# KiCad board 8088 ram card - revB.kicad_pcb
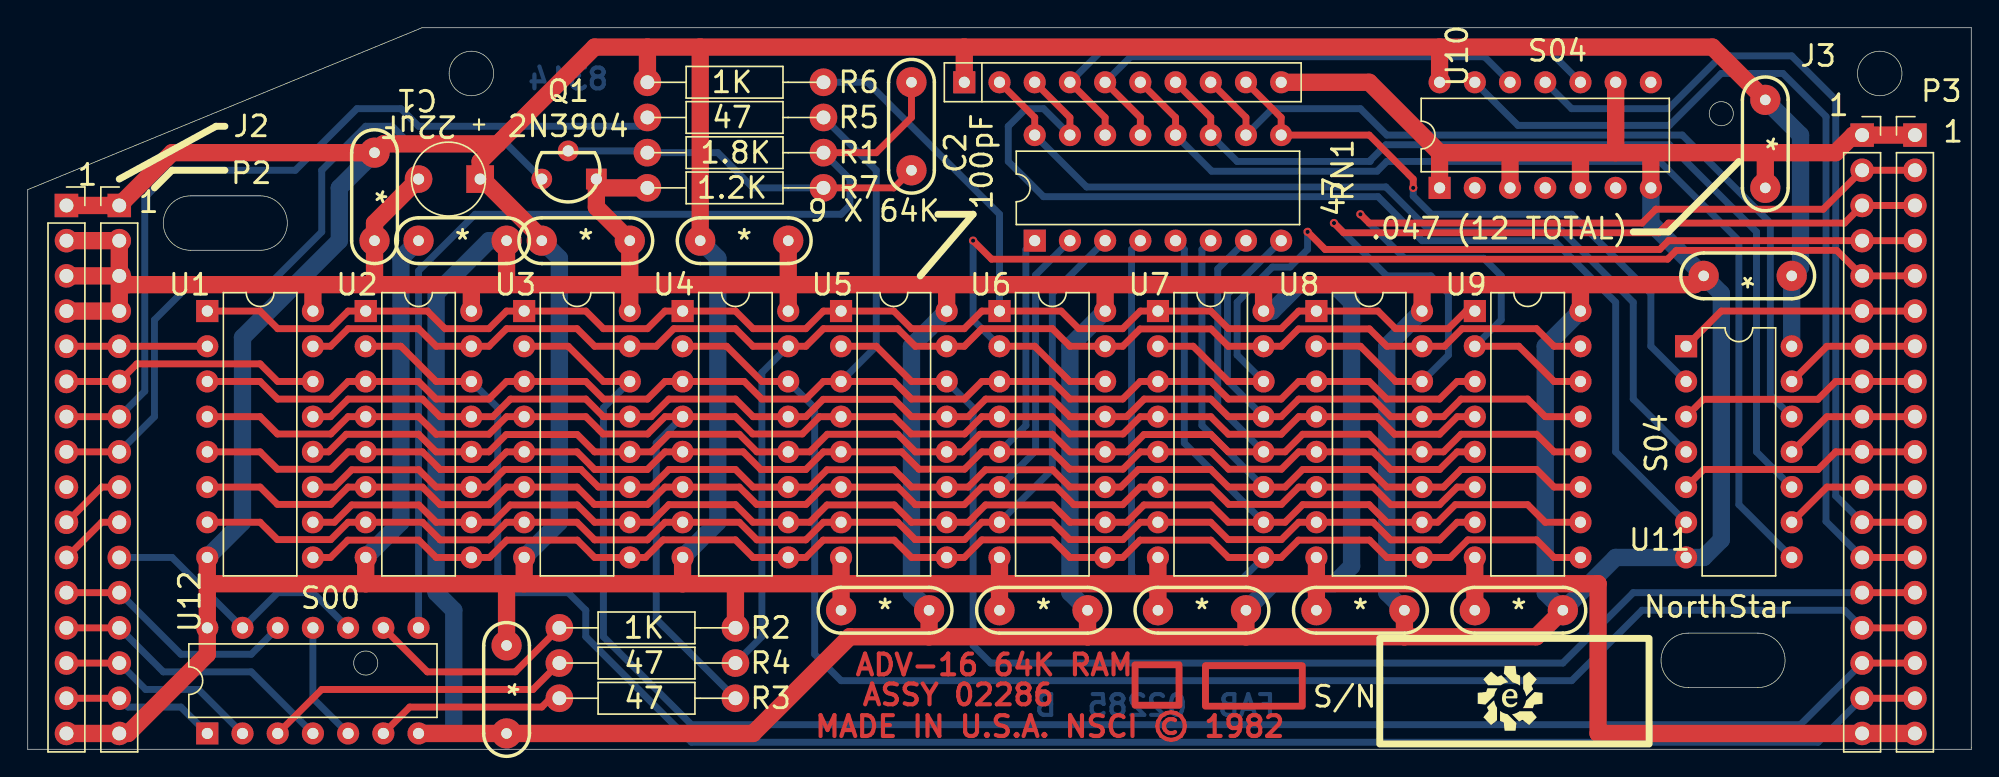
[diagram p0: board, top side]
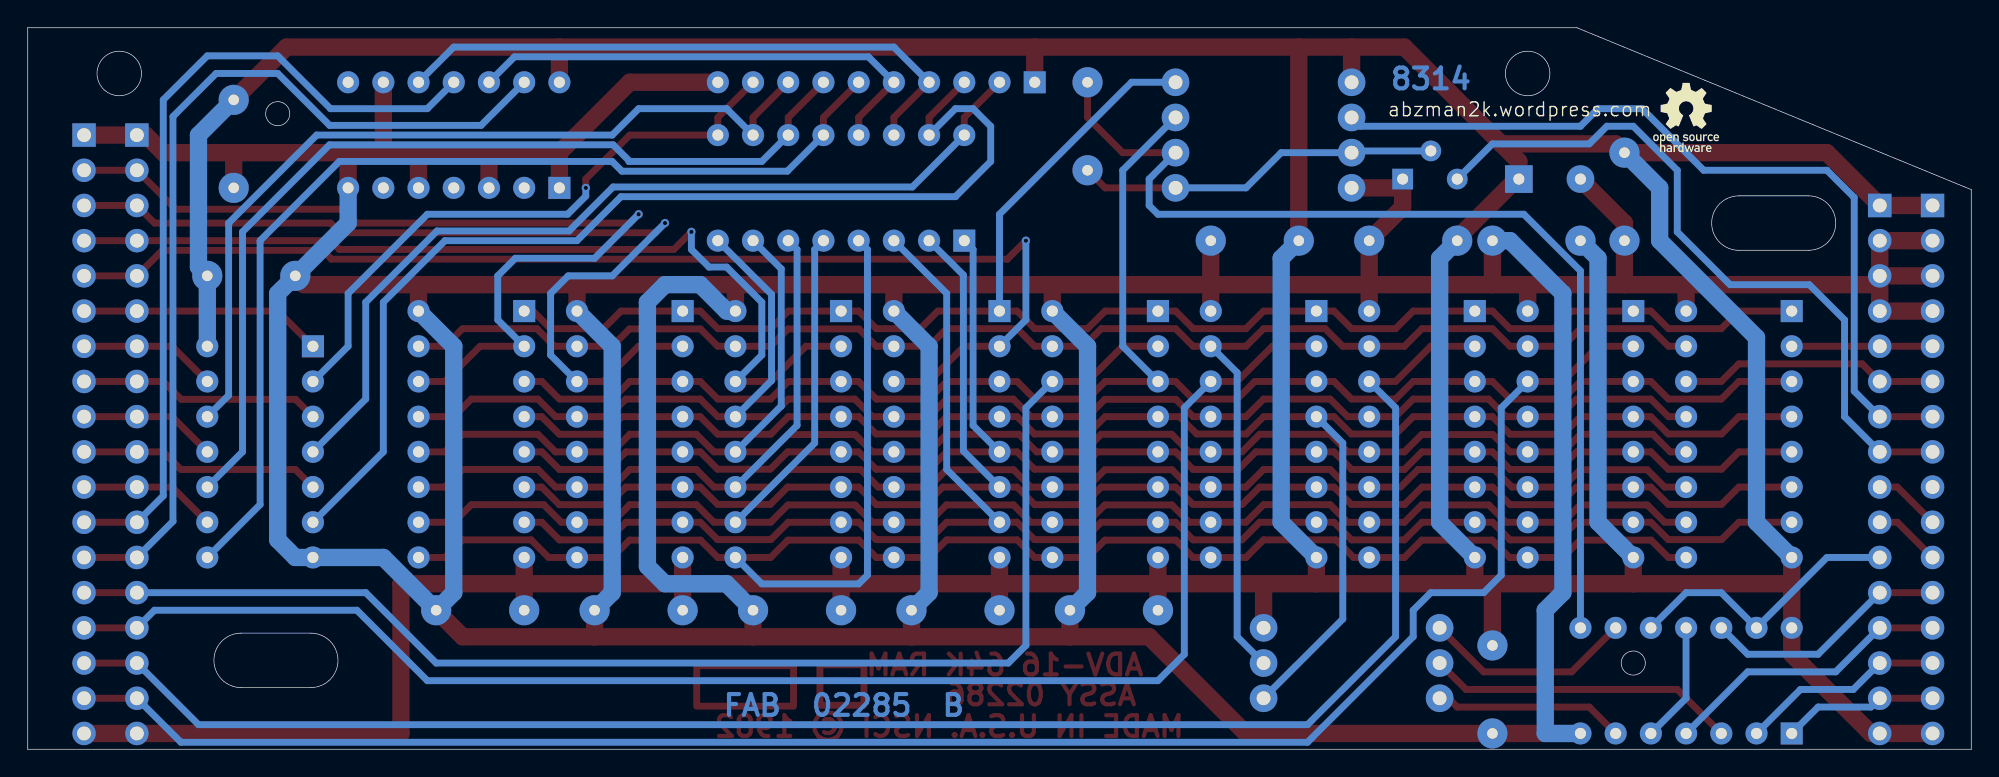
[diagram p1: board, bottom side, seen from below]

Outline 140.21 x 52.07 mm; copper layers: Top, Bottom. Coordinates in mm from the lower left corner of the outline.
Outline path: circle c24.38,6.22 r0.87 ; circle c32,48.77 r1.61 ; circle c122.17,45.87 r0.87 ; circle c133.6,48.77 r1.6 ; 0,40.39 0,0 140.21,0 140.21,52.07 28.45,52.07 0,40.39 ; 11.74,36.01 arc(9.78,37.97) 11.74,39.94 16.76,39.94 arc(18.73,37.97) 16.76,36.01 11.74,36.01 ; 119.79,4.45 arc(117.83,6.42) 119.79,8.38 124.81,8.38 arc(126.78,6.42) 124.81,4.45 119.79,4.45
Stack: Top 0.035mm / dielectric 1.51mm FR4 er 4.5 / Bottom 0.035mm

## Placement (name value [footprint] x y rotation side)
C1  22uF  [noethstar tantalum]  32.64 41.15 180 top
C2  100pF  [northstar decoupling cap]  63.75 41.78 90 top
C3  *  [northstar decoupling cap]  25.02 43.05 270 top
C4  *  [northstar decoupling cap]  28.19 36.7 0 top
C5  *  [northstar decoupling cap]  37.08 36.7 0 top
C6  *  [northstar decoupling cap]  48.51 36.7 0 top
C7  *  [northstar decoupling cap]  127.25 34.16 180 top
C8  *  [northstar decoupling cap]  125.35 46.86 270 top
C9  *  [northstar decoupling cap]  34.54 7.49 270 top
C10  *  [northstar decoupling cap]  58.67 10.03 0 top
C11  *  [northstar decoupling cap]  70.1 10.03 0 top
C12  *  [northstar decoupling cap]  81.53 10.03 0 top
C13  *  [northstar decoupling cap]  92.96 10.03 0 top
C14  *  [northstar decoupling cap]  104.39 10.03 0 top
G***  LOGO  [Evan Logo]  106.93 3.68 0 top
G***#2  LOGO  [OSHW gear]  20.57 45.59 180 bottom
J2  Conn_01x16_Socket  [PinSocket_1x16_P2.54mm_Vertical]  2.79 39.24 0 top
J3  Conn_01x16_Socket  [PinSocket_1x18_P2.54mm_Vertical]  132.33 44.32 0 top
P2  Conn_01x16_Pin  [PinHeader_1x16_P2.54mm_Vertical]  6.6 39.24 0 top
P3  Conn_01x16_Pin  [PinHeader_1x18_P2.54mm_Vertical]  136.14 44.32 0 top
Q1  2N3904  [TO-92_northstar_Wide]  41.53 41.78 180 top
R1  1.8K  [northstar resistor]  44.7 43.05 0 top
R2  1K  [northstar resistor]  38.35 8.76 0 top
R3  47  [northstar resistor]  38.35 3.68 0 top
R4  47  [northstar resistor]  38.35 6.22 0 top
R5  47  [northstar resistor]  44.7 45.59 0 top
R6  1K  [northstar resistor]  44.7 48.13 0 top
R7  1.2K  [northstar resistor]  44.7 40.51 0 top
RN1  47  [DIP-16_W7.62mm]  72.64 36.7 90 top
RN2  1K  [R_Array_SIP10]  67.56 48.13 0 top
U1  4164  [DIP-16_W7.62mm]  12.95 31.62 0 top
U2  4164  [DIP-16_W7.62mm]  24.38 31.62 0 top
U3  4164  [DIP-16_W7.62mm]  35.81 31.62 0 top
U4  4164  [DIP-16_W7.62mm]  47.24 31.62 0 top
U5  4164  [DIP-16_W7.62mm]  58.67 31.62 0 top
U6  4164  [DIP-16_W7.62mm]  70.1 31.62 0 top
U7  4164  [DIP-16_W7.62mm]  81.53 31.62 0 top
U8  4164  [DIP-16_W7.62mm]  92.96 31.62 0 top
U9  4164  [DIP-16_W7.62mm]  104.39 31.62 0 top
U10  74S04  [DIP-14_W7.62mm]  101.85 40.51 90 top
U11  74S04  [DIP-14_W7.62mm]  119.63 29.08 0 top
U12  74S00  [DIP-14_W7.62mm]  12.95 1.14 90 top

## Library data of the parts
C1 = -: Description: Polarized capacitor
C2-C14 = -: Description: Unpolarized capacitor
J2 P2 = -: Description: Generic connector, single row, 01x16, script generated
J3 P3 = -: Description: Generic connector, single row, 01x18, script generated
Q1 = -: Description: 0.2A Ic, 40V Vce, Small Signal NPN Transistor, TO-92
R1-R7 = -: Description: Resistor
RN1 = -: Description: 8 resistor network, parallel topology, split
RN2 = -: Description: 8 voltage divider network, dual terminator, SIP package
U10 U11 = -: Description: Hex Inverter
U12 = -: Description: quad 2-input NAND gate

## Footprints (pads in the part's own frame, mm; a bottom-side part is the same pattern mirrored in y, then rotated)
DIP-14_W7.62mm
  rect 1.6x1.6 hole 0.8: 1(0,0)
  oval 1.6x1.6 hole 0.8: 2(0,-2.54) 3(0,-5.08) 4(0,-7.62) 5(0,-10.16) 6(0,-12.7) 7(0,-15.24) 8(7.62,-15.24) 9(7.62,-12.7) 10(7.62,-10.16) 11(7.62,-7.62) 12(7.62,-5.08) 13(7.62,-2.54) 14(7.62,0)
DIP-16_W7.62mm
  rect 1.6x1.6 hole 0.8: 1(0,0)
  oval 1.6x1.6 hole 0.8: 2(0,-2.54) 3(0,-5.08) 4(0,-7.62) 5(0,-10.16) 6(0,-12.7) 7(0,-15.24) 8(0,-17.78) 9(7.62,-17.78) 10(7.62,-15.24) 11(7.62,-12.7) 12(7.62,-10.16) 13(7.62,-7.62) 14(7.62,-5.08) 15(7.62,-2.54) 16(7.62,0)
noethstar tantalum
  rect 2x2 hole 0.8: 1(0,0)
  round 2 hole 0.8: 2(4.445,0)
northstar decoupling cap
  round 2.18 hole 0.762: 1(0,0) 2(6.35,0)
northstar resistor
  round 2 hole 1: 1(0,0) 2(12.7,0)
PinHeader_1x16_P2.54mm_Vertical
  rect 1.7x1.7 hole 1: 1(0,0)
  oval 1.7x1.7 hole 1: 2(0,-2.54) 3(0,-5.08) 4(0,-7.62) 5(0,-10.16) 6(0,-12.7) 7(0,-15.24) 8(0,-17.78) 9(0,-20.32) 10(0,-22.86) 11(0,-25.4) 12(0,-27.94) 13(0,-30.48) 14(0,-33.02) 15(0,-35.56) 16(0,-38.1)
PinHeader_1x18_P2.54mm_Vertical
  rect 1.7x1.7 hole 1: 1(0,0)
  oval 1.7x1.7 hole 1: 2(0,-2.54) 3(0,-5.08) 4(0,-7.62) 5(0,-10.16) 6(0,-12.7) 7(0,-15.24) 8(0,-17.78) 9(0,-20.32) 10(0,-22.86) 11(0,-25.4) 12(0,-27.94) 13(0,-30.48) 14(0,-33.02) 15(0,-35.56) 16(0,-38.1) 17(0,-40.64) 18(0,-43.18)
PinSocket_1x16_P2.54mm_Vertical
  rect 1.7x1.7 hole 1: 1(0,0)
  oval 1.7x1.7 hole 1: 2(0,-2.54) 3(0,-5.08) 4(0,-7.62) 5(0,-10.16) 6(0,-12.7) 7(0,-15.24) 8(0,-17.78) 9(0,-20.32) 10(0,-22.86) 11(0,-25.4) 12(0,-27.94) 13(0,-30.48) 14(0,-33.02) 15(0,-35.56) 16(0,-38.1)
PinSocket_1x18_P2.54mm_Vertical
  rect 1.7x1.7 hole 1: 1(0,0)
  oval 1.7x1.7 hole 1: 2(0,-2.54) 3(0,-5.08) 4(0,-7.62) 5(0,-10.16) 6(0,-12.7) 7(0,-15.24) 8(0,-17.78) 9(0,-20.32) 10(0,-22.86) 11(0,-25.4) 12(0,-27.94) 13(0,-30.48) 14(0,-33.02) 15(0,-35.56) 16(0,-38.1) 17(0,-40.64) 18(0,-43.18)
R_Array_SIP10
  rect 1.6x1.6 hole 0.8: 1(0,0)
  oval 1.6x1.6 hole 0.8: 2(2.54,0) 3(5.08,0) 4(7.62,0) 5(10.16,0) 6(12.7,0) 7(15.24,0) 8(17.78,0) 9(20.32,0) 10(22.86,0)
TO-92_northstar_Wide
  rect 1.5x1.5 hole 0.8: 1(0.508,0.635)
  round 1.5 hole 0.8: 2(2.54,-1.397) 3(4.445,0.635)

## Nets
+5V: C1.1 C3.1 C4.1 C5.1 C6.1 C7.1 C8.1 C9.1 C10.1 C11.1 C12.1 C13.1 C14.1 J2.1 J2.16 J3.18 P2.1 P2.16 P3.18 R2.2 R6.1 RN2.1 U1.8 U2.8 U3.8 U4.8 U5.8 U6.8 U7.8 U8.8 U9.8 U10.14 U11.14 U12.14
GND: C1.2 C3.2 C4.2 C5.2 C6.2 C7.2 C8.2 C9.2 C10.2 C11.2 C12.2 C13.2 C14.2 J2.2 J2.3 J2.4 J3.1 P2.2 P2.3 P2.4 P3.1 Q1.1 R7.1 RN2.10 U1.16 U2.16 U3.16 U4.16 U5.16 U6.16 U7.16 U8.16 U9.16 U10.1 U10.3 U10.5 U10.7 U10.9 U11.7 U12.7
//BRD_PRES: J2.8 P2.8 Q1.3
//CAS: R4.2 U1.15 U2.15 U3.15 U4.15 U5.15 U6.15 U7.15 U8.15 U9.15
//CAS_1: J2.15 P2.15 U12.1
//CAS_2: J2.14 P2.14 U12.2
//RAS: R3.2 U1.4 U2.4 U3.4 U4.4 U5.4 U6.4 U7.4 U8.4 U9.4
//RAS_1: J2.13 P2.13 U12.4
//RAS_2: J2.12 P2.12 U12.12
//Select: P2.11 U12.10 U12.13
//WRT: R5.2 U1.3 U2.3 U3.3 U4.3 U5.3 U6.3 U7.3 U8.3 U9.3
//WRT_pin: J2.7 P2.7 R5.1
/A0: RN1.1 U1.5 U2.5 U3.5 U4.5 U5.5 U6.5 U7.5 U8.5 U9.5
/A0_: RN1.16 RN2.2 U11.4
/A0_I: J3.8 P3.8 U11.3
/A1: RN1.3 U1.7 U2.7 U3.7 U4.7 U5.7 U6.7 U7.7 U8.7 U9.7
/A1_: RN1.14 RN2.4 U10.10
/A1_I: J3.12 P3.12 U10.11
/A2: RN1.2 U1.6 U2.6 U3.6 U4.6 U5.6 U6.6 U7.6 U8.6 U9.6
/A2_: RN1.15 RN2.3 U11.6
/A2_I: J3.10 P3.10 U11.5
/A3: RN1.7 U1.12 U2.12 U3.12 U4.12 U5.12 U6.12 U7.12 U8.12 U9.12
/A3_: RN1.10 RN2.8 U11.12
/A3_I: J3.7 P3.7 U11.13
/A4: RN1.6 U1.11 U2.11 U3.11 U4.11 U5.11 U6.11 U7.11 U8.11 U9.11
/A4_: RN1.11 RN2.7 U11.10
/A4_I: J3.9 P3.9 U11.11
/A5: RN1.5 U1.10 U2.10 U3.10 U4.10 U5.10 U6.10 U7.10 U8.10 U9.10
/A5_: RN1.12 RN2.6 U11.8
/A5_I: J3.11 P3.11 U11.9
/A6: RN1.8 U1.13 U2.13 U3.13 U4.13 U5.13 U6.13 U7.13 U8.13 U9.13
/A6_: RN1.9 RN2.9 U11.2
/A6_I: J3.6 P3.6 U11.1
/A7: RN1.4 U1.9 U2.9 U3.9 U4.9 U5.9 U6.9 U7.9 U8.9 U9.9
/A7_: RN1.13 RN2.5 U10.12
/A7_I: J3.13 P3.13 U10.13
/D1: J3.17 P3.17 U2.2 U2.14
/D2: J3.16 P3.16 U3.2 U3.14
/D3: J3.15 P3.15 U4.2 U4.14
/D4: J3.14 P3.14 U5.2 U5.14
/D5: J3.5 P3.5 U6.2 U6.14
/D6: J3.4 P3.4 U7.2 U7.14
/D7: J3.3 P3.3 U8.2 U8.14
/D8: J3.2 P3.2 U9.2 U9.14
/DI_0: J2.5 P2.5 U1.2
/DO_0: J2.6 P2.6 U1.14
/RFSH: R6.2 U1.1 U2.1 U3.1 U4.1 U5.1 U6.1 U7.1 U8.1 U9.1
Net-(C2-Pad2): C2.2 R1.2 U12.8
Net-(J2-Pin_10): J2.10 P2.9
Net-(J2-Pin_11): J2.11 P2.10
Net-(Q1-B): C2.1 Q1.2 R1.1 R7.2
Net-(R2-Pad1): R2.1 U12.9
Net-(R3-Pad1): R3.1 U12.6
Net-(R4-Pad1): R4.1 U12.3
Net-(U12-Pad11): U12.5 U12.11

Pads without a net: J2 9; U10 2 4 6 8

## Via types
v1: diameter 0.6, hole 0.3, Top to Bottom, 5 vias

## Routing (per net, layer and track width the routed paths; a pad name or vN(x,y) marks a point on that pad's centre or on a via; arc(x,y) is an arc through that point)
+5V: length 472.3
  Top w1.25: U3.8 35.81,11.95 ; 35.81,11.95 34.54,11.95 ; 35.81,11.95 47.24,11.95 ; 92.96,11.95 81.53,11.95 ; 92.96,11.95 U8.8 ; 92.96,11.95 C13.1 ; 92.96,11.95 104.39,11.95 ; 81.53,11.95 C12.1 ; 81.53,11.95 U7.8 ; 81.53,11.95 70.1,11.95 ; R2.2 51.05,11.95 ; 51.05,11.95 47.24,11.95 ; 51.05,11.95 58.67,11.95 ; U6.8 70.1,11.95 ; 70.1,11.95 58.67,11.95 ; 70.1,11.95 C11.1 ; 58.67,11.95 U5.8 ; 58.67,11.95 C10.1 ; P3.18 J3.18 113.28,1.14 113.28,11.94 113.27,11.95 104.39,11.95 ; U10.14 101.85,50.67 ; 101.85,50.67 67.56,50.67 ; 101.85,50.67 121.54,50.67 C8.1 ; 24.38,11.95 12.96,11.95 12.95,11.96 ; 24.38,11.95 U2.8 ; 24.38,11.95 34.54,11.95 ; 12.95,11.96 U1.8 ; 12.95,11.96 U12.14 12.95,6.86 7.24,1.14 P2.16 J2.16 ; 47.24,11.95 U4.8 ; 104.39,11.95 U9.8 ; 104.39,11.95 C14.1 ; 33.91,43.69 25.65,43.69 C3.1 10.41,43.05 P2.1 J2.1 ; 33.91,43.69 32.64,42.42 32.64,41.32 37.08,36.87 C5.1 ; 33.91,43.69 40.89,50.67 44.7,50.67 ; 67.56,50.67 RN2.1 ; 67.56,50.67 48.51,50.67 ; R6.1 44.7,50.67 ; 44.7,50.67 48.51,50.67 ; 34.54,11.95 C9.1 ; 48.51,50.67 C6.1
  Bottom w1.25: C5.1 38.35,35.43 38.35,16.38 U3.8 ; U4.8 49.78,16.38 49.78,35.43 C6.1 ; U2.8 26.92,16.38 26.92,35.43 C4.1 ; C3.1 22.48,40.51 22.48,36.7 15.49,29.72 15.49,16.38 U1.8 ; C8.1 127.89,44.32 127.89,34.8 C7.1 U11.14
GND: length 546.9
  Top w1.25: P2.3 7.24,33.53 20.57,33.53 ; P2.3 P2.4 J2.4 ; P2.3 J2.3 ; P2.3 P2.2 J2.2 ; 100.58,33.53 112.01,33.53 ; 100.58,33.53 89.15,33.53 ; 100.58,33.53 U8.16 ; 112.01,33.53 U9.16 ; 112.01,33.53 120.27,33.53 C7.2 ; U10.7 117.09,43.05 ; 117.09,43.05 125.35,43.05 ; 117.09,43.05 114.55,43.05 ; 87.88,8.12 99.31,8.12 ; 87.88,8.12 76.45,8.12 ; 87.88,8.12 C12.2 ; 99.31,8.12 108.83,8.12 C14.2 ; 99.31,8.12 C13.2 ; 43.43,33.53 C5.2 41.02,39.12 41.02,40.51 ; 43.43,33.53 54.86,33.53 ; 43.43,33.53 U3.16 ; 43.43,33.53 34.54,33.53 ; U7.16 89.15,33.53 ; 89.15,33.53 77.72,33.53 ; U10.5 112.01,43.05 ; 112.01,43.05 106.93,43.05 ; 112.01,43.05 114.55,43.05 ; P3.1 J3.1 131.7,44.32 130.43,43.05 125.35,43.05 ; 77.72,33.53 U6.16 ; 77.72,33.53 66.29,33.53 ; C11.2 76.45,8.12 ; 76.45,8.12 65.02,8.12 ; 41.02,40.51 Q1.1 ; 41.02,40.51 R7.1 ; 125.35,43.05 C8.2 ; 25.02,33.53 32,33.53 ; 25.02,33.53 C3.2 25.02,37.97 28.19,41.15 ; 25.02,33.53 20.57,33.53 ; 32,33.53 34.54,33.53 ; 32,33.53 U2.16 ; 54.86,33.53 C6.2 ; 54.86,33.53 66.29,33.53 ; 54.86,33.53 U4.16 ; RN2.10 96.77,48.13 101.85,43.05 ; 101.85,43.05 U10.1 ; 101.85,43.05 106.93,43.05 ; U5.16 66.29,33.53 ; 20.57,33.53 U1.16 ; C10.2 65.02,8.12 ; 65.02,8.12 59.32,8.12 59.31,8.13 52.32,1.14 C9.2 U12.7 ; 106.93,43.05 U10.3 ; 34.54,33.53 C4.2 ; U10.9 114.55,43.05
  Bottom w1.25: U6.16 75.18,29.08 75.18,11.3 C11.2 ; U12.7 30.73,1.14 30.73,10.03 29.46,11.3 29.46,32.89 33.27,36.7 C4.2 ; C12.2 89.8,11.95 94.24,11.95 95.5,13.21 95.5,32.26 94.23,33.53 91.69,33.53 89.79,31.62 U7.16 ; C10.2 63.75,11.3 63.75,29.08 U5.16 ; C13.2 98.04,11.3 98.04,29.08 U8.16 ; U9.16 109.47,29.08 109.47,11.3 C14.2 114.55,13.84 U11.7 120.9,13.84 122.17,15.11 122.17,32.89 C7.2 117.09,37.97 U10.7
//BRD_PRES: length 52.3
  Top w0.5: J2.8 P2.8
  Bottom w0.5: 37.08,41.15 34.54,43.69 27.56,43.69 26.29,44.96 24.38,44.96 21.21,41.78 21.21,37.34 17.4,33.53 11.68,33.53 9.14,30.99 9.14,24 P2.8
//CAS: length 124.3
  Top w0.5: U1.15 21.84,29.08 23.11,30.35 28.19,30.35 29.46,29.08 U2.15 33.27,29.08 34.54,30.35 39.62,30.35 40.89,29.08 U3.15 45.34,29.08 46.61,30.35 51.05,30.35 52.32,29.08 U4.15 56.13,29.08 57.4,30.35 62.76,30.35 64.03,29.08 U5.15 67.56,29.08 68.83,30.35 73.91,30.35 75.18,29.08 U6.15 78.99,29.08 80.24,30.33 85.36,30.33 86.61,29.08 U7.15 90.42,29.08 91.67,30.33 96.79,30.33 98.04,29.08 U8.15 102.21,29.08 103.48,30.35 108.84,30.35 110.11,29.08 U9.15
  Bottom w0.5: R4.2 52.96,8.13 52.96,27.18 U4.15
//CAS_1: length 11.2
  Top w0.5: J2.15 P2.15
  Bottom w0.5: U12.1 11.05,3.05 7.24,3.05 P2.15
//CAS_2: length 14.8
  Top w0.5: J2.14 P2.14
  Bottom w0.5: U12.2 12.32,4.32 8.51,4.32 P2.14
//RAS: length 123.3
  Top w0.5: U1.4 16.76,24 18.01,22.75 21.86,22.75 23.11,24 U2.4 28.19,24 29.46,22.73 33.27,22.73 34.54,24 U3.4 40.26,24 41.51,22.75 44.72,22.75 45.97,24 U4.4 51.05,24 52.3,22.75 55.87,22.75 57.12,24 U5.4 62.48,24 63.73,22.75 67.58,22.75 68.83,24 U6.4 73.91,24 75.16,22.75 79.01,22.75 80.26,24 U7.4 85.34,24 86.61,22.73 90.42,22.73 91.69,24 U8.4 97.33,24 98.6,22.73 101.85,22.73 103.12,24 U9.4
  Bottom w0.5: R3.2 45.34,9.4 45.34,22.1 U4.4
//RAS_1: length 20.9
  Top w0.5: J2.13 P2.13
  Bottom w0.5: U12.4 16.13,5.59 9.78,5.59 P2.13
//RAS_2: length 17.9
  Top w0.5: J2.12 P2.12
  Bottom w0.5: P2.12 11.05,6.86 16.13,6.86 U12.12
//Select: length 20.7
  Bottom w0.5: P2.11 10.41,13.84 U12.13 18.03,11.3 20.57,11.3 U12.10
//WRT: length 121.5
  Top w0.5: U1.3 16.76,26.54 18.03,25.27 21.84,25.27 23.11,26.54 U2.3 28.19,26.54 29.46,25.27 33.27,25.27 34.54,26.54 U3.3 40.26,26.54 41.53,25.27 44.7,25.27 45.97,26.54 U4.3 51.69,26.54 52.96,25.27 56.13,25.27 57.4,26.54 U5.3 62.48,26.54 63.75,25.27 67.56,25.27 68.83,26.54 U6.3 73.91,26.54 75.18,25.27 78.99,25.27 80.26,26.54 U7.3 85.34,26.54 86.61,25.27 90.42,25.27 91.69,26.54 U8.3 96.77,26.54 98.04,25.27 101.85,25.27 103.12,26.54 U9.3
  Bottom w0.5: U5.3 61.21,29.08 61.21,41.78 R5.2
//WRT_pin: length 60.1
  Top w0.5: J2.7 P2.7
  Bottom w0.5: R5.1 44.07,44.96 28.19,44.96 26.92,46.23 23.75,46.23 19.3,41.78 10.41,41.78 8.44,39.81 8.44,25.84 P2.7
/A0: length 116.1
  Top w0.5: U1.5 16.76,21.46 18.01,20.21 21.86,20.21 23.11,21.46 U2.5 28.47,21.46 29.74,20.19 33.27,20.19 34.54,21.46 U3.5 39.62,21.46 40.89,20.19 44.7,20.19 45.97,21.46 U4.5 51.61,21.46 52.88,20.19 56.13,20.19 57.4,21.46 U5.5 63.04,21.46 64.29,20.21 67.58,20.21 68.83,21.46 U6.5 73.91,21.46 75.16,20.21 79.01,20.21 80.26,21.46 U7.5 85.38,21.46 86.63,20.21 90.44,20.21 91.69,21.46 U8.5 97.05,21.46 98.32,20.19 101.85,20.19 103.12,21.46 U9.5
  Bottom w0.5: U6.5 72.01,23.37 72.01,36.07 RN1.1
/A0_: length 65.4
  Top w0.5: RN2.2 72.64,45.59 RN1.16
  Bottom w0.5: RN1.16 76.39,40.58 97.98,40.58 101.15,37.4 110.68,37.4 115.82,32.26 115.82,25.27 U11.4
/A0_I: length 17.6
  Top w0.5: P3.8 J3.8 130.43,26.54 129.14,25.25 120.88,25.25 U11.3
/A1: length 123.3
  Top w0.5: U1.7 16.76,16.38 18.01,15.13 21.86,15.13 23.11,16.38 U2.7 28.47,16.38 29.74,15.11 33.27,15.11 34.54,16.38 U3.7 39.62,16.38 40.89,15.11 44.7,15.11 45.97,16.38 U4.7 51.33,16.38 52.6,15.11 56.13,15.11 57.4,16.38 U5.7 62.76,16.38 64.01,15.13 67.58,15.13 68.83,16.38 U6.7 73.91,16.38 75.16,15.13 79.01,15.13 80.26,16.38 U7.7 85.34,16.38 86.59,15.13 90.44,15.13 91.69,16.38 U8.7 97.05,16.38 98.32,15.11 101.85,15.11 103.12,16.38 U9.7
  Bottom w0.5: U6.7 73.91,20.19 73.91,32.89 RN1.3
/A1_: length 43.8
  Top w0.5: RN2.4 77.72,45.59 RN1.14
  Bottom w0.5: U10.10 109.47,50.67 77.72,50.67 RN2.4
/A1_I: length 59.7
  Top w0.5: P3.12 J3.12
  Bottom w0.5: J3.12 130.43,18.29 130.43,46.86 127.25,50.04 122.17,50.04 118.36,46.23 111.38,46.23 U10.11
/A2: length 119.7
  Top w0.5: U9.6 103.12,18.92 101.85,17.65 98.32,17.65 97.05,18.92 U8.6 91.69,18.92 90.44,17.67 86.63,17.67 85.38,18.92 U7.6 80.26,18.92 78.99,17.65 75.46,17.65 74.19,18.92 U6.6 68.83,18.92 67.56,17.65 64.03,17.65 62.76,18.92 U5.6 57.4,18.92 56.15,17.67 52.58,17.67 51.33,18.92 U4.6 45.97,18.92 44.72,17.67 40.87,17.67 39.62,18.92 U3.6 34.54,18.92 33.27,17.65 29.74,17.65 28.47,18.92 U2.6 23.11,18.92 21.86,17.67 18.01,17.67 16.76,18.92 U1.6
  Bottom w0.5: U6.6 72.71,21.53 72.71,34.23 RN1.2
/A2_: length 79.2
  Top w0.5: RN1.15 75.18,45.59 RN2.3
  Bottom w0.5: U11.6 114.55,21.46 114.55,32.26 110.11,36.7 100.58,36.7 97.41,39.88 73.28,39.88 70.74,42.42 70.74,44.96 72.01,46.23 73.28,46.23 RN1.15
/A2_I: length 17.6
  Top w0.5: P3.10 J3.10 130.43,21.46 129.16,20.19 120.9,20.19 U11.5
/A3: length 117.3
  Top w0.5: U1.12 21.71,21.46 22.98,22.73 28.19,22.73 29.46,21.46 U2.12 33.27,21.46 34.52,22.71 39.64,22.71 40.89,21.46 U3.12 44.98,21.46 46.25,22.73 51.33,22.73 52.6,21.46 U4.12 56.41,21.46 57.68,22.73 62.76,22.73 64.03,21.46 U5.12 67.43,21.46 68.7,22.73 73.91,22.73 75.18,21.46 U6.12 79.27,21.46 80.52,22.71 85.36,22.71 86.61,21.46 U7.12 90.7,21.46 91.97,22.73 96.77,22.73 98.04,21.46 U8.12 102.13,21.46 103.4,22.73 108.84,22.73 110.11,21.46 U9.12
  Bottom w0.5: U7.12 85.85,24.77 85.85,34.67 RN1.7
/A3_: length 61.5
  Top w0.5: RN2.8 87.88,45.59 RN1.10
  Bottom w0.5: RN1.10 89.79,46.23 96.14,46.23 98.04,44.32 119.36,44.32 125.71,37.97 125.71,25.54 U11.12
/A3_I: length 9.9
  Top w0.5: P3.7 J3.7 129.79,29.08 U11.13
/A4: length 119.7
  Top w0.5: U9.11 110.11,18.92 108.84,20.19 103.4,20.19 102.13,18.92 U8.11 98.04,18.92 96.77,20.19 91.97,20.19 90.7,18.92 U7.11 86.61,18.92 85.34,20.19 80.13,20.19 78.86,18.92 U6.11 75.18,18.92 73.93,20.17 69.09,20.17 67.84,18.92 U5.11 63.75,18.92 62.5,20.17 57.66,20.17 56.41,18.92 U4.11 52.32,18.92 51.05,20.19 46.25,20.19 44.98,18.92 U3.11 41.17,18.92 39.9,20.19 34.41,20.19 33.14,18.92 U2.11 29.46,18.92 28.21,20.17 23.37,20.17 22.12,18.92 U1.11
  Bottom w0.5: U7.11 84.71,23.37 84.71,36.07 RN1.6
/A4_: length 67.6
  Top w0.5: RN1.11 85.34,45.59 RN2.7
  Bottom w0.5: U11.10 124.71,21.46 124.71,37.34 118.43,43.62 97.98,43.62 96.84,42.48 96.84,42.42 87.25,42.42 RN1.11
/A4_I: length 9.9
  Top w0.5: U11.11 129.79,24 J3.9 P3.9
/A5: length 122.7
  Top w0.5: U9.10 109.47,16.38 108.2,17.65 102.99,17.65 101.72,16.38 U8.10 98.04,16.38 96.77,17.65 91.97,17.65 90.7,16.38 U7.10 86.61,16.38 85.36,17.63 80.52,17.63 79.27,16.38 U6.10 75.18,16.38 73.93,17.63 69.09,17.63 67.84,16.38 U5.10 63.75,16.38 62.5,17.63 57.66,17.63 56.41,16.38 U4.10 52.32,16.38 51.05,17.65 46.25,17.65 44.98,16.38 U3.10 40.89,16.38 39.64,17.63 34.8,17.63 33.55,16.38 U2.10 29.46,16.38 28.21,17.63 23.37,17.63 22.12,16.38 U1.10
  Bottom w0.5: RN1.5 83.44,36.07 83.44,22.1 U7.10
/A5_: length 73.7
  Top w0.5: RN1.12 82.8,45.59 RN2.6
  Bottom w0.5: U11.8 123.44,17.65 123.44,36.7 117.73,42.42 98.04,42.42 97.34,41.72 85.41,41.72 RN1.12
/A5_I: length 9.9
  Top w0.5: P3.11 J3.11 129.79,18.92 U11.9
/A6: length 115.2
  Top w0.5: U9.13 109.47,24 108.2,25.27 103.4,25.27 102.13,24 U8.13 98.32,24 97.05,25.27 91.69,25.27 90.42,24 U7.13 86.61,24 85.34,25.27 80.54,25.27 79.27,24 U6.13 75.18,24 73.91,25.27 69.11,25.27 67.84,24 U5.13 63.75,24 62.5,25.25 57.38,25.25 56.13,24 U4.13 52.32,24 51.05,25.27 46.25,25.27 44.98,24 U3.13 41.53,24 40.26,25.27 34.82,25.27 33.55,24 U2.13 29.74,24 28.47,25.27 23.11,25.27 21.84,24 U1.13
  Bottom w0.5: RN1.8 86.55,32.83 86.55,26.61 U7.13
/A6_: length 44.4
  Top w0.5: v1(99.95,40.51) 99.95,41.15 96.77,44.32 RN1.9 90.42,45.59 RN2.9
  Bottom w0.5: U11.2 117.09,29.08 117.09,32.89 111.38,38.61 101.26,38.61 99.95,39.92 v1(99.95,40.51)
/A6_I: length 17.6
  Top w0.5: U11.1 122.17,31.62 J3.6 P3.6
/A7: length 134.7
  Top w0.5: U9.9 110.11,13.84 108.84,15.11 103.9,15.11 102.63,13.84 U8.9 98.04,13.84 96.79,15.09 91.67,15.09 90.42,13.84 U7.9 86.61,13.84 85.36,15.09 80.24,15.09 78.99,13.84 U6.9 75.18,13.84 73.91,15.11 68.83,15.11 67.56,13.84 U5.9 63.75,13.84 62.5,15.09 57.38,15.09 56.13,13.84 U4.9 52.32,13.84 51.05,15.11 45.84,15.11 44.57,13.84 U3.9 40.89,13.84 39.64,15.09 34.56,15.09 33.31,13.84 U2.9 29.46,13.84 28.21,15.09 23.09,15.09 21.84,13.84 U1.9
  Bottom w0.5: U7.9 87.25,11.94 80.26,11.94 79.63,12.57 79.63,36.07 RN1.4
/A7_: length 35.6
  Top w0.5: RN1.13 80.26,45.59 RN2.5
  Bottom w0.5: U10.12 105.09,49.97 79.56,49.97 RN2.5
/A7_I: length 66.2
  Top w0.5: J3.13 P3.13
  Bottom w0.5: J3.13 129.73,16.45 129.73,45.66 126.62,48.77 122.17,48.77 118.43,45.02 107.5,45.02 U10.13
/D1: length 133.1
  Top w0.5: U2.14 29.46,26.54 26.92,29.08 U2.2 ; J3.17 P3.17
  Bottom w0.5: U2.14 33.91,24.64 33.91,12.57 35.18,11.3 38.99,11.3 40.26,10.03 40.26,8.13 47.88,0.51 129.16,0.51 J3.17
/D2: length 127
  Top w0.5: P3.16 J3.16 ; U3.14 41.53,26.54 38.99,29.08 U3.2
  Bottom w0.5: U3.14 41.53,24.64 41.53,8.13 47.88,1.78 127.89,1.78 J3.16
/D3: length 111.9
  Top w0.5: U4.2 50.42,29.08 52.96,26.54 U4.14 ; J3.15 P3.15
  Bottom w0.5: J3.15 131.06,10.03 116.46,10.03 111.38,4.95 58.67,4.95 56.77,6.86 56.77,24.64 U4.14
/D4: length 99.1
  Top w0.5: U5.2 61.21,29.08 63.75,26.54 U5.14 ; P3.14 J3.14
  Bottom w0.5: U5.14 68.2,24.64 68.2,7.49 69.47,6.22 110.74,6.22 115.82,11.3 J3.14
/D5: length 86.6
  Top w0.5: v1(68.2,36.7) 69.53,35.37 118.3,35.37 118.93,36 130.49,36 J3.5 P3.5 ; U6.14 75.18,26.54 72.64,29.08 U6.2
  Bottom w0.5: v1(68.2,36.7) 68.2,30.99 U6.2
/D6: length 67.7
  Top w0.5: v1(92.33,37.34) 93.6,36.07 117.73,36.07 118.36,36.7 J3.4 P3.4 ; U7.14 86.61,26.54 84.07,29.08 U7.2
  Bottom w0.5: U7.14 87.25,28.45 87.25,32.26 89.79,34.8 91.06,34.8 92.33,36.07 v1(92.33,37.34)
/D7: length 69.2
  Top w0.5: U8.14 98.68,26.54 96.14,29.08 U8.2 ; v1(94.23,37.97) 94.93,37.27 117.66,37.27 118.36,37.97 131.06,37.97 J3.3 P3.3
  Bottom w0.5: U8.14 102.49,28.45 102.49,32.89 101.22,34.16 98.04,34.16 v1(94.23,37.97)
/D8: length 68.4
  Top w0.5: U9.14 110.11,26.54 107.57,29.08 U9.2 ; v1(96.14,38.61) 96.77,37.97 116.46,37.97 117.46,38.97 129.52,38.97 J3.2 P3.2
  Bottom w0.5: v1(96.14,38.61) 99.31,35.43 105.03,35.43 106.3,34.16 106.3,30.99 U9.2
/DI_0: length 10.2
  Top w0.5: U1.2 P2.5 J2.5
/DO_0: length 18.8
  Top w0.5: U1.14 18.03,26.54 16.76,27.81 7.87,27.81 P2.6 J2.6
/RFSH: length 123.5
  Top w0.5: U1.1 16.76,31.62 18.03,30.35 21.84,30.35 23.11,31.62 U2.1 28.83,31.62 30.1,30.35 33.27,30.35 34.54,31.62 U3.1 40.26,31.62 41.53,30.35 44.7,30.35 45.97,31.62 U4.1 51.05,31.62 52.32,30.35 56.13,30.35 57.4,31.62 U5.1 62.48,31.62 63.75,30.35 67.56,30.35 68.83,31.62 U6.1 74.55,31.62 75.82,30.35 78.99,30.35 80.26,31.62 U7.1 85.34,31.62 86.61,30.35 90.42,30.35 91.69,31.62 U8.1 97.41,31.62 98.68,30.35 102.49,30.35 103.76,31.62 U9.1
  Bottom w0.5: U6.1 70.1,38.61 60.58,48.13 R6.2
Net-(C2-Pad2): length 73.4
  Top w0.5: R1.2 61.21,43.05 63.75,45.59 C2.2
  Bottom w0.5: R1.2 59.31,41.15 59.31,39.24 58.67,38.61 32.28,38.61 28.19,34.53 U12.8
Net-(J2-Pin_10): length 4.9
  Top w0.5: P2.9 5.33,18.92 J2.10
Net-(J2-Pin_11): length 4.9
  Top w0.5: J2.11 5.33,16.38 P2.10
Net-(Q1-B): length 26.4
  Top w0.5: C2.1 62.48,40.51 R7.2
  Bottom w0.5: R7.2 52.32,40.51 49.78,43.05 R1.1 44.58,43.18 38.99,43.18
Net-(R2-Pad1): length 15.3
  Top w0.5: R2.1 35.18,5.59 28.83,5.59 U12.9
Net-(R3-Pad1): length 13.8
  Top w0.5: U12.6 27.56,3.05 37.08,3.05 37.72,3.68 R3.1
Net-(R4-Pad1): length 22.4
  Top w0.5: U12.3 21.21,4.32 36.45,4.32 R4.1
Net-(U12-Pad11): length 8.7
  Bottom w0.5: U12.5 20.57,3.68 U12.11

## Text on the board
Bottom: 8314 | FAB  02285  B
B.Silkscreen: abzman2k.wordpress.com
Top: MADE IN U.S.A. NSCI © 1982 | ADV-16 64K RAM | ASSY 02286
F.Silkscreen: 1 | S00 | 9 X 64K | S/N | .047 (12 TOTAL) | S04 | NorthStar
